# Altium PCB Mynd_UI.PcbDoc
Units mm, origin at the board's own origin, x right, y up, seen from the top; angles counter-clockwise.
Board outline 116 x 26 mm, 2 copper layers (Component Side, Solder Side), stack 1.58 mm thick; 82 components, 43 nets, 202 pads, 501 vias.
Unrouted connection lines stored in the file: 34.
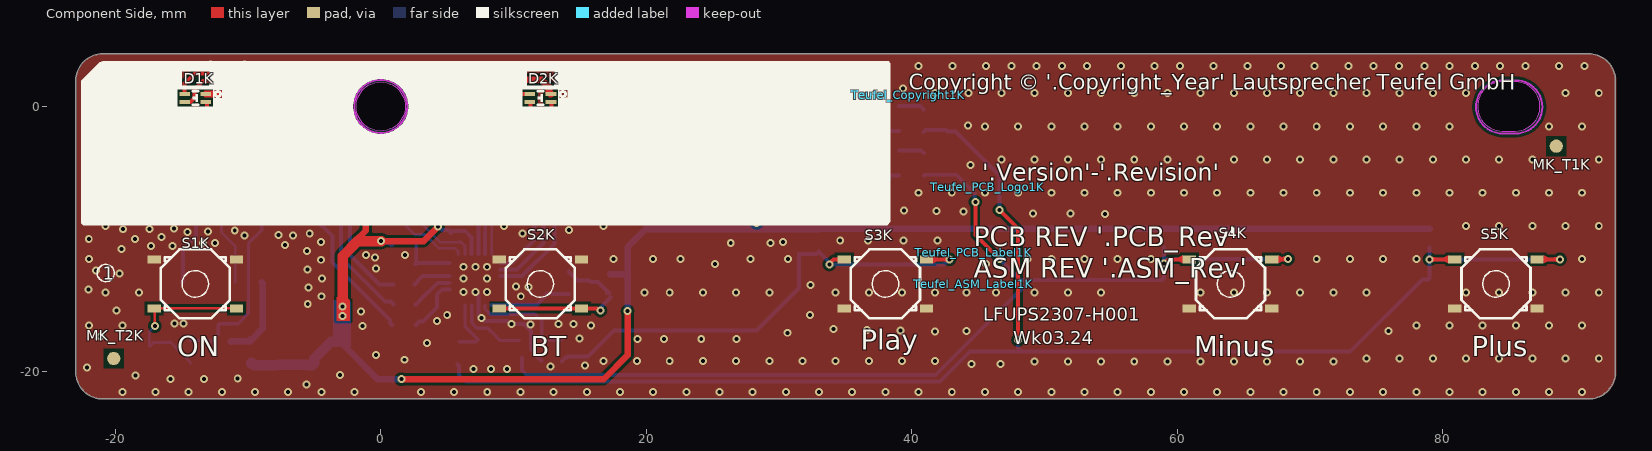
[diagram p0: Component Side view]
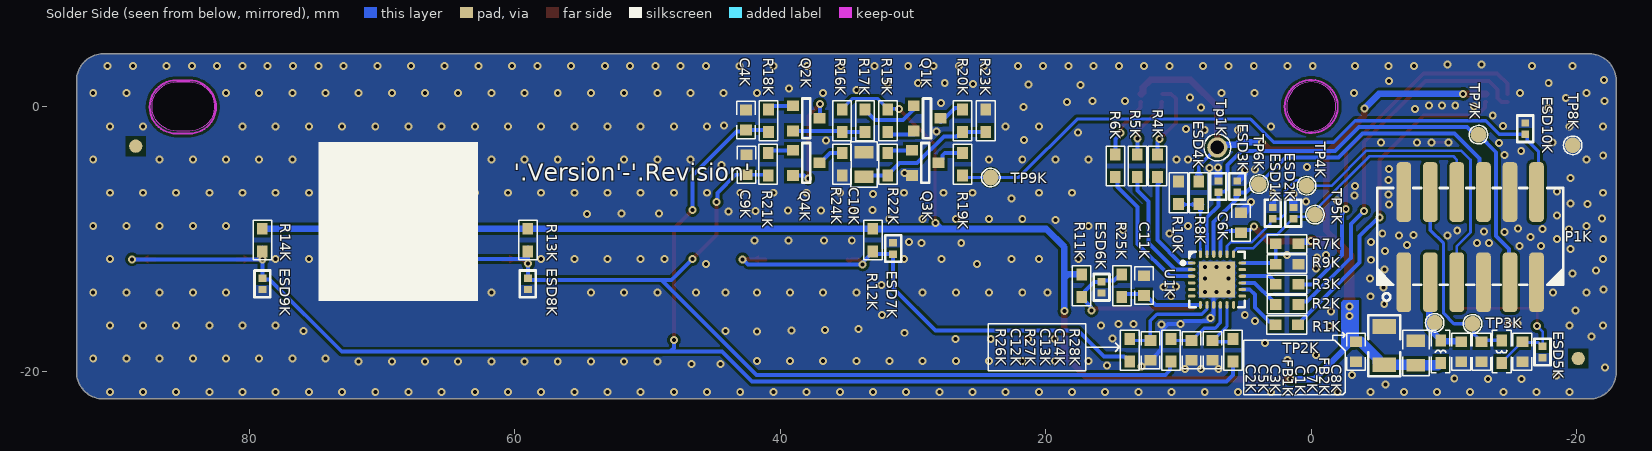
[diagram p1: Solder Side view, seen from below]
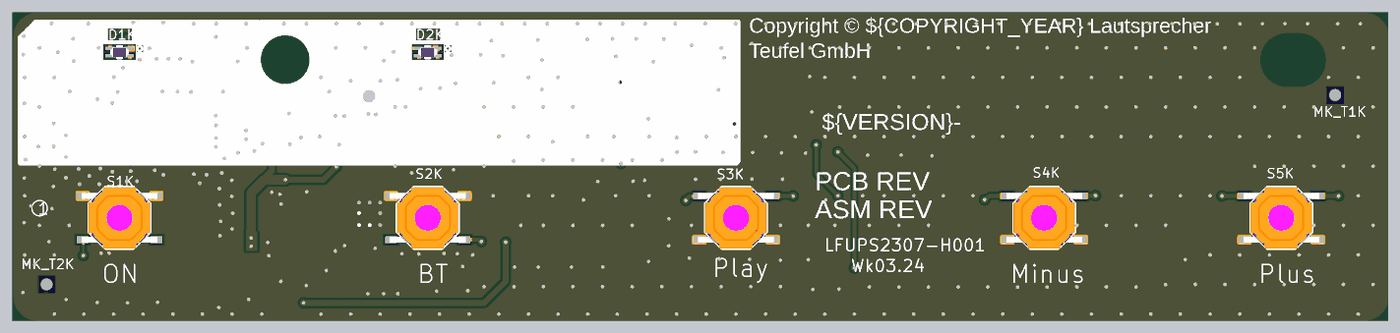
[diagram p2: 3D render of the assembled board from above, using the file's embedded part models]
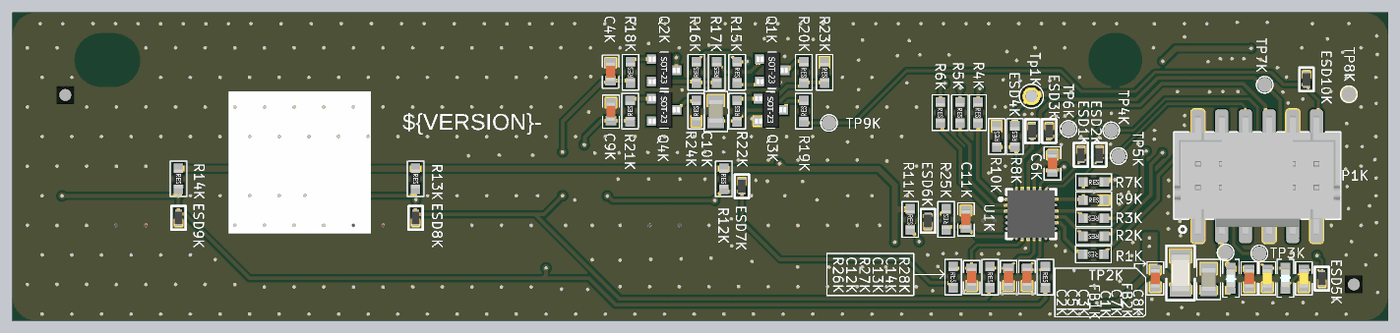
[diagram p3: 3D render of the assembled board from below, using the file's embedded part models]

## Layer stack, top to bottom
Top Solder: solder mask 0.0102, Solder Resist, Dk 3.5
Component Side: signal copper 0.035
Dielectric1: core 1.5097, FR-4, Dk 4.2
Solder Side: signal copper 0.035
Bottom Solder: solder mask 0.0102, Solder Resist, Dk 3.5

## Board outline
-20.973,-22.035 cw(c-20.973,-20.035) -22.973,-20.035 -22.973,1.965 cw(c-20.973,1.965) -20.973,3.965 91.027,3.965 cw(c91.027,1.965) 93.027,1.965 93.027,-20.035 cw(c91.027,-20.035) 91.027,-22.035
cut-out: 0,-1.85 cw(c0,0) -1.85,0 cw(c0,0) 0,1.85 cw(c0,0) 1.85,0 cw(c0,0)
cut-out: 84.5,-1.85 85.5,-1.85 ccw(c85.5,0) 85.5,1.85 84.5,1.85 ccw(c84.5,0)

## Design rules (kind name [scope] priority, off if disabled: settings)
AssemblyTestPointUsage [HasFootprint('PAD-NDK-06')] p1:
AssemblyTestpoint [HasFootprint('PAD-NDK-06')] p1: testpointundercomponent=TRUE minsize=1.016 maxsize=2.54 preferedsize=1.524 minholesize=0 maxholesize=1.016 preferedholesize=0.813 testpointgrid=0.025 usegrid=TRUE gridtolerance=0 allowsidetop=TRUE allowsidebottom=TRUE
Clearance [All] p1: gap=0.2 ignorepadtopadclearanceinfootprint=FALSE
Clearance Clearance_Poly [All] p2 off: gap=0.25 ignorepadtopadclearanceinfootprint=FALSE // Protel DXP Scope 1 Expression Was: InPoly
ComponentClearance ComponentClearance_Termofühler [HasFootprint('SOP65P1420X360_HS-44N') vs HasFootprint('TO-92_MCP9700')] p1: gap=0 collisioncheckmode=3 verticalgap=0.254 showdistances=FALSE
ComponentClearance ComponentClearance_Testpoint [InComponent('TP*')] p2: gap=0 collisioncheckmode=3 verticalgap=0.254 showdistances=FALSE
ComponentClearance ComponentClearance_MC16 [OnLayer('Component Side')] p3: gap=0 collisioncheckmode=3 verticalgap=0.254 showdistances=FALSE
ComponentClearance ComponentClearance_1 [All] p4: gap=0.2 collisioncheckmode=3 verticalgap=0.254 showdistances=FALSE
ComponentClearance ComponentClearance_Stiftleiste [HasFootprint('1X04RM254') vs HasFootprint('1X02RM254')] p5: gap=0 collisioncheckmode=3 verticalgap=0.254 showdistances=FALSE
FabricationTestpoint [All] p1: side=3 testpointundercomponent=TRUE minsize=0.5 maxsize=2.54 preferedsize=1.524 minholesize=0 maxholesize=1.016 preferedholesize=0.813 testpointgrid=0.025 allowsidetop=TRUE allowsidebottom=TRUE usegrid=TRUE gridtolerance=0
FanoutControl Fanout_LCC [All] p1 off: bgadir=Out bgaviamode=Centered fanoutstyle=Auto fanoutdirection=Alternating viagrid=0.025 // Protel DXP Scope 1 Expression Was: IsLCC   Fanout_LCC (Default Rule)
FanoutControl Fanout_BGA [All] p2 off: bgadir=Out bgaviamode=Centered fanoutstyle=Auto fanoutdirection=Alternating viagrid=0.025 // Protel DXP Scope 1 Expression Was: IsBGA   Fanout_BGA (Default Rule)
FanoutControl Fanout_SOIC [All] p3 off: bgadir=Out bgaviamode=Centered fanoutstyle=Auto fanoutdirection=Alternating viagrid=0.025 // Protel DXP Scope 1 Expression Was: IsSOIC   Fanout_SOIC (Default Rule)
FanoutControl Fanout_Default [All] p4: bgadir=Out bgaviamode=Centered fanoutstyle=Auto fanoutdirection=Alternating viagrid=0.025 // Fanout_Default (Default Rule)
FanoutControl Fanout_Small [All] p5 off: bgadir=Out bgaviamode=Centered fanoutstyle=Auto fanoutdirection=Alternating viagrid=0.025 // Protel DXP Scope 1 Expression Was: (CompPinCount < 5)   Fanout_Small (Default Rule)
HoleSize [All] p1: absolutevalues=TRUE maxlimit=8 minlimit=0.25 maxpercent=80.000 minpercent=20.000
PlaneClearance [All] p1: clearance=0.3
PlaneConnect [All] p1: planeconnectstyle=Relief reliefexpansion=0.508 reliefentries=4 reliefconductorwidth=0.5 reliefairgap=0.254
PolygonConnect [All] p1: connectstyle=Direct reliefconductorwidth=0.5 reliefentries=4 polygonreliefangle="45 Angle" airgapwidth=0.254
PolygonConnect PolygonConnect_direct_stepup [All] p2 off: connectstyle=Direct reliefconductorwidth=0.254 reliefentries=4 polygonreliefangle="90 Angle" airgapwidth=0.254 // Protel DXP Scope 1 Expression Was: (InNet('NETC548_1') AND IsNamedPolygon('BOT_STEPUP_L502OUT')) OR (InNet('NetL502_1') AND IsNamedPolygon('BOT_STEPUP_L502IN')) OR     (InNet('NetC504_2') AND IsNamedPolygon('BOT_STEPUP_IN')) OR   (InNet('24V') AND IsNamedPolygon('BOT_STEPUP_24VOUT')) OR (InNet('GND') AND (IsNamedPolygon('BOT_STEPUP_GND') OR                     IsNamedPolygon('BOT_GLOBAL_GND') OR                                    IsNamedPolygon('Bot_Global_Gnd')                   ) )
PolygonConnect PolygonConnect_VIA [All] p3 off: connectstyle=Direct reliefconductorwidth=0.2 reliefentries=4 polygonreliefangle="90 Angle" airgapwidth=0.254 // Protel DXP Scope 1 Expression Was: isVia  or HasFootprint('HOLE_3.2_6.0') or  HasFootprint('CAPPR750W80D1600H2500') or HasFootprint('JST_B6P-VH-FB-B') or HasFootprint('JST_B2P-VH-FB-B') or HasFootprint('TE_1734366-3')
PolygonConnect PolygonConnect_direct [All] p4 off: connectstyle=Direct reliefconductorwidth=0.254 reliefentries=4 polygonreliefangle="90 Angle" airgapwidth=0.254 // Protel DXP Scope 1 Expression Was: InNet('OUT_A') or InNet('OUT_B') or InNet('OUT_C') or InNet('OUT_D') or InNet('SW1_N') or InNet('SW1_P') or InNet('SW2_N') or InNet('SW2_P') or InNet('NetC500_1') or InNet('NetC500_2') or IsNamedPolygon('BOTTOM_-5V_GND') or IsNamedPolygon('BOTTOM_5V_GND') or IsNamedPolygon('BOTTOM_3V3_GND') or IsNamedPolygon('TOP_24V') or IsNamedPolygon('BOT_5VChg_SW_Node') or ((InNet('41V')) and IsSMTPin)
PolygonConnect PolygonConnect_GND_RC_1 [All] p5 off: connectstyle=Relief reliefconductorwidth=0.5 reliefentries=4 polygonreliefangle="90 Angle" airgapwidth=0.254 // Protel DXP Scope 1 Expression Was: IsNamedPolygon('GND_RC_1')
RoutingVias [All] p1: holewidth=0.3 width=0.7 viastyle="Through Hole" minholewidth=0.25 minwidth=0.5 maxholewidth=6 maxwidth=8
ShortCircuit ShortCircuit_Antenna [InNet('ANTENNA')] p2: allowed=TRUE
SilkToSolderMaskClearance [All] p1 off: minsilkscreentomaskgap=0.254 clearancetoexposedcopper=TRUE // Protel DXP Scope 1 Expression Was: IsPad
SolderMaskExpansion [All] p1: expansion=0.102 istentingtop=FALSE
SupplyNets "Schematic Supply Nets_2" [InNet('3V3_LED')] p1: voltage=0.000
SupplyNets "Schematic Supply Nets_1" [InNet('GND')] p2: voltage=0.000
SupplyNets "Schematic Supply Nets" [InNet('3V3_STB')] p3: voltage=0.000
Width [All] p1: maxlimit=20 minlimit=0.2 preferedwidth=0.2
17 further rules are at their usual default settings.

## Components (designator, comment, footprint, x,y, rotation, side; value= is the part's Value field where it differs from the comment)
C1K "100nF" C0603X100 -11.3,-18.475 r270 bottom
C2K "100nF" C0603X100 -3.375,-18.475 r270 bottom
C3K "10uF" C0805_145 -7.875,-18.575 r90 bottom
C4K "100nF" C0603X100 42.575,-1.025 r90 bottom
C5K "22uF" C1206 -5.5,-18.025 r270 bottom
C6K "100nF" C0603X100 5.302,-8.765 r270 bottom
C7K "33pF" C0603X80 -12.825,-18.475 r270 bottom
C8K "33pF" C0603X80 -15.9,-18.475 r270 bottom
C9K "100nF" C0603X100 42.55,-4.4 r90 bottom
C10K "10uF" C0805_145 33.7,-4.375 r90 bottom
C11K "NC" C0603X100 12.6,-13.5 r90 bottom
C12K "NC" C0603X100 12.12,-18.375 r270 bottom
C13K "NC" C0603X100 9.01,-18.375 r270 bottom
C14K "NC" C0603X100 7.45,-18.375 r270 bottom
D1K "JH-CRGBB06GTP014" LED_SMD_F_T_160X80X60 -13.973,0.635 r0 top locked
D2K "JH-CRGBB06GTP014" LED_SMD_F_T_160X80X60 12.027,0.635 r0 top locked
ESD1K "CESD0501CU" DFN2_100X60X50_65 2.902,-8.04 r270 bottom
ESD2K "CESD0501CU" DFN2_100X60X50_65 1.352,-8.04 r270 bottom
ESD3K "CESD0501CU" DFN2_100X60X50_65 5.577,-6.04 r270 bottom
ESD4K "CESD0501CU" DFN2_100X60X50_65 7.002,-6.04 r270 bottom
ESD5K "BDFN2C121V" DFN2_100X60X50_65 -17.425,-18.5 r90 bottom
ESD6K "CESD0501CU" DFN2_100X60X50_65 15.8,-13.625 r90 bottom
ESD7K "CESD0501CU" DFN2_100X60X50_65 31.5,-10.7 r270 bottom
ESD8K "CESD0501CU" DFN2_100X60X50_65 59.027,-13.365 r90 bottom
ESD9K "CESD0501CU" DFN2_100X60X50_65 79.027,-13.365 r90 bottom
ESD10K "CESD0501CU" DFN2_100X60X50_65 -16.125,-1.675 r270 bottom
FB1K "600R" L0603 -9.75,-18.475 r90 bottom
FB2K "600R" L0603 -14.35,-18.475 r270 bottom
MK_T1K "MARK" MARK 88.577,-2.99 r90 top
MK_T2K "MARK" MARK -20.123,-18.99 r90 top
P1K "WB200AL-12" WB200AL_2x6P -11.975,-9.85 r180 bottom
Q1K "CJ3401" SOT23-GSD 28.95,-0.9 r270 bottom
Q2K "CJ3401" SOT23-GSD 38.05,-0.9 r270 bottom
Q3K "2N7002K" SOT23-GSD 29.075,-4.25 r270 bottom
Q4K "CJ3401" SOT23-GSD 38.05,-4.25 r270 bottom
R1K "22R" R0603 1.85,-16.45 r0 bottom
R2K "22R" R0603 1.825,-14.925 r0 bottom
R3K "75R" R0603 1.825,-13.4 r0 bottom
R4K "75R" R0603 11.584,-4.48 r270 bottom
R5K "22R" R0603 13.108,-4.48 r270 bottom
R6K "22R" R0603 14.759,-4.48 r270 bottom
R7K "100R" R0603 1.825,-10.35 r180 bottom
R8K "100R" R0603 8.477,-6.49 r90 bottom
R9K "10k" R0603 1.825,-11.875 r180 bottom
R10K "10k" R0603 10.002,-6.49 r90 bottom
R11K "100k" R0603 17.3,-13.5 r270 bottom
R12K "100k" R0603 33.027,-10.065 r270 bottom
R13K "100k" R0603 59.027,-10.065 r270 bottom
R14K "100k" R0603 79.027,-10.065 r270 bottom
R15K "0R" R0603 31.9,-1.075 r270 bottom
R16K "10k" R0603 35.35,-1.075 r90 bottom
R17K "4.7k" R0603 33.625,-1.075 r90 bottom
R18K "150k" R0603 40.9,-1.075 r90 bottom
R19K "10R" R0603 26.275,-4.35 r90 bottom
R20K "680k" R0603 26.275,-1.075 r270 bottom
R21K "150k" R0603 40.925,-4.35 r90 bottom
R22K "10k" R0603 31.9,-4.35 r90 bottom
R23K "1M" R0603 24.525,-1.075 r270 bottom
R24K "0R" R0603 35.35,-4.35 r90 bottom
R25K "1k" R0603 14.275,-13.5 r90 bottom
R26K "1k" R0603 13.675,-18.375 r270 bottom
R27K "1k" R0603 10.565,-18.375 r270 bottom
R28K "1k" R0603 5.9,-18.375 r270 bottom
S1K "TC-1316A-H1.5-180GF" TACT_SW_SMD_52X52X15 -13.973,-13.365 r0 top locked
S2K "TC-1316A-H1.5-180GF" TACT_SW_SMD_52X52X15 12.027,-13.365 r0 top locked
S3K "TC-1316A-H1.5-180GF" TACT_SW_SMD_52X52X15 38.027,-13.365 r180 top locked
S4K "TC-1316A-H1.5-180GF" TACT_SW_SMD_52X52X15 64.027,-13.365 r180 top locked
S5K "TC-1316A-H1.5-180GF" TACT_SW_SMD_52X52X15 84.027,-13.365 r180 top locked
Teufel_ASM_Label1K "=Comment/Name" Teufel_ASM_Rev 44.675,-13.4 r0 top
Teufel_Copyright1K "=Comment/Name" TEUFEL_COPYRIGHT 39.8,0.85 r0 top
Teufel_PCB_Label1K "=Comment/Name" Teufel_PCB_Rev 44.7,-11.025 r0 top
Teufel_PCB_Logo1K "T.3.0.0040-3.2" Teufel_NoLogo 45.725,-6.1 r0 top
Tp1K "TP_T_60_40" TP_T_60_40 7.077,-3.09 r180 bottom
TP2K "TP12" TP120 -9.3,-16.3 r90 bottom
TP3K "TP12" TP120 -12.15,-16.375 r90 bottom
TP4K "TP12" TP120 0.35,-5.975 r90 bottom
TP5K "TP12" TP120 -0.275,-8.15 r90 bottom
TP6K "TP12" TP120 3.951,-5.855 r90 bottom
TP7K "TP12" TP120 -12.6,-2.125 r90 bottom
TP8K "TP12" TP120 -19.7,-2.925 r90 bottom
TP9K "TP12" TP120 24.15,-5.35 r90 bottom
U1K "AW9523BTQR" QFN24_400X400X100_50_P270X270 7.102,-13.04 r180 bottom

## Footprints (in the part's own frame and the unit in brackets; to place one, negate y for a bottom-side part, rotate by r counter-clockwise, add the part's x,y. Pads: shape width x height; smd on the part's side, far side on the other; paste and mask are expansions set on the pad)
C0603X80 [mm] "MLCC CAP 0603 T= 0.8 mm"
  rect 0.8x0.9 smd: 1(-0.745,0) 2(0.755,0)
  silkscreen extent -1.4,-0.7 1.4,0.7, body extent -0.8,-0.4 0.8,0.4, height 0.5
C0603X100 [mm] "MLCC CAP 0603 T= 1.0 mm"
  rect 0.8x0.9 smd: 1(-0.745,0) 2(0.755,0)
  silkscreen extent -1.4,-0.7 1.4,0.7, body extent -0.8,-0.4 0.8,0.4, height 0.8
C0805_145 [mm] "Chip Capacitor 0805, T= 1.45 mm"
  rect 0.95x1.4 smd: 1(-0.925,0) 2(0.925,0)
  silkscreen extent -1.7,-1 1.7,1, body extent -1,-0.62 1,0.63, height 1.45
C1206 [mm] "Chip Capacitor 1206"
  rect 1.1x1.8 smd: 1(-1.45,0) 2(1.45,0)
  silkscreen extent -2.3,-1.2 2.3,1.2, body extent -1.6,-0.81 1.6,0.81, height 0.57
DFN2_100X60X50_65 [mm] "DFN, 2-Leads, Body 1.00 x 0.60 mm, Pitch 0.65mm, IPC Medium Density"
  rect 0.55x0.6 smd: 1(-0.425,0) 2(0.425,0)
  silkscreen extent -1,-0.6 1,0.6, body extent -0.54,-0.34 0.54,0.34, height 0.5
L0603 [mm] "Chip Inductor 0603"
  rect 0.9x0.8 smd: 1(-0.85,0) 2(0.85,0)
  silkscreen extent -1.6,-0.7 1.6,0.7, body extent -0.8,-0.4 0.8,0.4, height 1
LED_SMD_F_T_160X80X60 [mm] "Surface Mount Chip LED  1.6 x 0.8 x 0.6 mm, Full-color, Top View."
  rect 0.8x0.3 smd: B(0.8,-0.3) C(0.8,0.3) G(-0.8,-0.3) R(-0.8,0.3)
  silkscreen extent -1.4,-0.7 1.9,0.7, body extent -0.8,-0.4 0.8,0.4, height 0.65
MARK [mm] "MARK DOT 1mm"
  rect 1.5x1.5 on Top Solder: 0(0,0)
  rect 1.5x1.5 on Bottom Solder: 1(0,0)
  round 1 smd far side mask+0: MK_B(0,0)
  round 1 smd mask+0: MKT(0,0)
  Component Side pour cut-out: -0.75,-0.75 0.75,-0.75 0.75,0.75 -0.75,0.75
  Solder Side pour cut-out: -0.75,-0.75 0.75,-0.75 0.75,0.75 -0.75,0.75
QFN24_400X400X100_50_P270X270 [mm] "QFN, 24-Leads, Body 4.00x4.00mm, Pitch 0.50mm, Thermal Pad 2.70x2.70mm, IPC Medium Density"
  rect 2.7x2.7 smd: 0(0,0)
  oval 0.58x0.24 smd: 1(-1.913,1.25) 2(-1.913,0.75) 3(-1.913,0.25) 4(-1.913,-0.25) 5(-1.913,-0.75) 6(-1.913,-1.25) 13(1.913,-1.25) 14(1.913,-0.75) 15(1.913,-0.25) 16(1.913,0.25) 17(1.913,0.75) 18(1.913,1.25)
  oval 0.24x0.58 smd: 7(-1.25,-1.913) 8(-0.75,-1.913) 9(-0.25,-1.913) 10(0.25,-1.913) 11(0.75,-1.913) 12(1.25,-1.913) 19(1.25,1.913) 20(0.75,1.913) 21(0.25,1.913) 22(-0.25,1.913) 23(-0.75,1.913) 24(-1.25,1.913)
  silkscreen extent -2.69,-2.1 2.1,2.1, body extent -2,-2 2,2, height 1
R0603 [mm] "Chip Resistor 0603"
  rect 0.9x0.8 smd: 1(-0.85,0) 2(0.85,0)
  silkscreen extent -1.5,-0.7 1.5,0.7, body extent -0.8,-0.4 0.8,0.4, height 0.3
SOT23-GSD [mm] "3 terminals; 1.9 mm pitch; 2.9 mm x 1.3 mm x 1 mm"
  rect 0.8x0.9 smd: D(0,1) G(-0.95,-1) S(0.95,-1)
  silkscreen extent -1.5,-0.3 1.5,0.3, body extent -1.5,-1.32 1.5,1.32, height 1.08
TACT_SW_SMD_52X52X15 [mm] "Tact Switch SMD 5.2 x 5.2 x 1.5mm SONGCHENG"
  rect 1x0.6 smd: 1(-3.1,1.85) 2(3.1,1.85) 3(-3.1,-1.85) 4(3.1,-1.85)
  silkscreen extent -2.6,-2.6 2.6,2.6, body extent -3.2,-2.6 3.2,2.6, height 1.5
Teufel_ASM_Rev [mm]
TEUFEL_COPYRIGHT [mm]
Teufel_NoLogo [mm] "Teufel NoLogo"
Teufel_PCB_Rev [mm]
TP120 [mm] "TEST PAD 1.2mm"
  round 1.2 smd: 1(0,0)
  silkscreen extent -0.7,-0.7 0.7,0.7
TP_T_60_40 [mil] "TEST PAD 60mil 40mil"
  round 60 / inner oval 60x50 / far side round 60 hole 40: 1(0,0)
  silkscreen extent -40,-40 40,40
WB200AL_2x6P [mm] "WB200AL 2x6 Pin, 2.0 Pitch AÐÍË«ÅÅÁ¢ÌùWTB"
  rrect50% 1.1x4.5 smd: 1(-5,-3.4) 2(-5,3.4) 3(-3,-3.4) 4(-3,3.4) 5(-1,-3.4) 6(-1,3.4) 7(1,-3.4) 8(1,3.4) 9(3,-3.4) 10(3,3.4) 11(5,-3.4) 12(5,3.4)
  silkscreen extent -7,-4.78 7,3.7, body extent -7,-4.96 7,5.04, height 9.04

## Part data
C1K C2K C4K C6K C9K C11K C12K C13K C14K: library part P-001-0038-28, "GPHF SMD M CAP 100nF 16V ±10%  0603 X7R", Manufacturer=Multi-Sourced, Temp_Coefficient=X7R, Tolerance=±10%, Voltage=16V, Part_Number=Generic, Part_Type="Capacitor ceramic SMT"
C3K: library part P-001-0158-27, "PSHF SMD M CAP 10uF 16V ±10% 0805 X7R", Manufacturer=Multi-Sourced, Temp_Coefficient=X7R, Tolerance="±10% 0805", Voltage=16V, Part_Number=Generic, Part_Type="Capacitor ceramic SMT"
C5K: library part P-001-0179-36, "PSHF SMD M CAP 22uF 16V ±10% 1206 X5R", Manufacturer=Multi-Sourced, Temp_Coefficient=X5R, Tolerance=±10%, Voltage=16V, Part_Number=Generic, Part_Type="Capacitor ceramic SMT"
C7K C8K: library part P-001-0394-18, "PSHF SMD M CAP 33pF 50V ±5% 0603 NPO", Manufacturer=Multi-Sourced, Temp_Coefficient=NPO, Tolerance=±5%, Voltage=50V, Part_Number=Generic, Part_Type="Capacitor ceramic SMT"
C10K: library part P-001-0150-56, "PSHF SMD M CAP 10uF 10V ±10% 0805 X5R", Manufacturer=Multi-Sourced, Temp_Coefficient=X5R, Tolerance=±10%, Voltage=10V, Part_Number=Generic, Part_Type="Capacitor ceramic SMT"
D1K D2K: library part K-001-0100-16, "SMD LED 4P 30mA RED&GN&BU", Color=Red/Green/Blue, Current=30mA, Manufacturer=MINGSHUO, Part_Number=JH-CRGBB06GTP014, Part_Type="Semiconductor LED RGB SMT"
ESD1K ESD2K ESD3K ESD4K ESD6K ESD7K ESD8K ESD9K ESD10K: library part R-001-1582-2, "SMD TVS 2P 5.5 DFN1006 CESD0501CU CTE", Manufacturer=CTE, Voltage=5.5V, Part_Number=CESD0501CU, Part_Type="Semiconductor Diode TVS SMT"
ESD5K: library part R-001-1347-2, "SMD TVS 2P DFN1006 BDFN2C121V", Manufacturer=|, Part_Number=BDFN2C121V, Part_Type="Semiconductor Diode TVS SMT"
FB1K FB2K: library part S-001-0006-21, "PS SMD FERRITE BEAD 600OHM 25% 0603", Current=0.5A, Frequency=100MHz, Manufacturer=[TSA], Tolerance=1:25%, Part_Number=FCM1608KF-601T05, Part_Type="Ferrite Bead SMT"
MK_T1K MK_T2K: library part N-001-00003-2, "MARK DOT", Design Item ID=MARK
P1K: library part C-001-1264-2, "SMD WTB CONNECTOR 12P P2.0mm TIN", Manufacturer=MINGHENG, Part_Number=WB200AL-12, Part_Type="Connector 2 x 6P", System=Connector
Q1K Q2K Q4K: library part R-001-1323-5, "GPHF SMD FET 3P -30V SOT-23 CJ3401 CJ", Current=-4.2V, Manufacturer=CJ, Voltage=-30, Part_Number=CJ3401, Part_Type="Semiconductor Transistor SMT"
Q3K: library part R-001-0217-30, "GP SMD FET 3P SOT23 2N7002K CTE", Current=300MA, Manufacturer=CTE, Voltage=60V, Part_Number=2N7002K, Part_Type="Semiconductor Transistor SMT"
R1K R2K R5K R6K: library part Q-001-0242-31, "PS SMD RES. 22OHM 1/10W 5% 0603", Manufacturer=Multi-Sourced, Temp_Coefficient=150ppm, Tolerance=5%, Part_Number=Generic, Part_Type="Resistor SMT", Wattage=1/10W
R3K R4K: library part Q-001-0024-21, "PS SMD RES. 75OHM 1/10W 1% 0603", Manufacturer=Multi-Sourced, Temp_Coefficient=150ppm, Tolerance=1%, Part_Number=Generic, Part_Type="Resistor SMT", Wattage=1/10W
R7K R8K: library part Q-001-0256-20, "PS SMD RES. 100OHM 1/10W 1% 0603", Manufacturer=Multi-Sourced, Temp_Coefficient=150ppm, Tolerance=1%, Part_Number=Generic, Part_Type="Resistor SMT", Wattage=1/10W
R9K R10K: library part Q-001-0036-48, "PS SMD RES. 10KOHM 1/10W 1% 0603", Manufacturer=Multi-Sourced, Temp_Coefficient=150ppm, Tolerance=1%, Part_Number=Generic, Part_Type="Resistor SMT", Wattage=1/10W
R11K R12K R13K R14K: library part Q-001-0032-53, "PS SMD RES. 100KOHM 1/10W 1% 0603", Manufacturer=Multi-Sourced, Temp_Coefficient=150ppm, Tolerance=1%, Part_Number=Generic, Part_Type="Resistor SMT", Wattage=1/10W
R15K R24K: library part Q-001-0048-204, "GPHF SMD RES. 0OHM 1/10W 5% 0603", Manufacturer=Multi-Sourced, Temp_Coefficient=150ppm, Tolerance=5%, Part_Number=Generic, Part_Type="Resistor SMT", Wattage=1/10W
R16K R22K: library part Q-001-0058-52, "GPHF SMD RES. 10KOHM 1/10W 5% 0603", Manufacturer=Multi-Sourced, Temp_Coefficient=150ppm, Tolerance=5%, Part_Number=Generic, Part_Type="Resistor SMT", Wattage=1/10W
R17K: library part Q-001-0077-41, "GPHF SMD RES. 4.7KOHM 1/10W 5% 0603", Manufacturer=Multi-Sourced, Temp_Coefficient=150ppm, Tolerance=5%, Part_Number=Generic, Part_Type="Resistor SMT", Wattage=1/10W
R18K R21K: library part Q-001-0222-26, "GPHF SMD RES. 150KOHM 1/10W 5% 0603", Manufacturer=Multi-Sourced, Temp_Coefficient=150ppm, Tolerance=5%, Part_Number=Generic, Part_Type="Resistor SMT", Wattage=1/10W
R19K: library part Q-001-0043-26, "GPHF SMD RES. 10OHM 1/10W 1% 0603", Manufacturer=Multi-Sourced, Temp_Coefficient=150ppm, Tolerance=1%, Part_Number=Generic, Part_Type="Resistor SMT", Wattage=1/10W
R20K: library part Q-001-0105-21, "GPHF SMD RES. 680KOHM 1/10W 5% 0603", Manufacturer=Multi-Sourced, Temp_Coefficient=150ppm, Tolerance=5%, Part_Number=Generic, Part_Type="Resistor SMT", Wattage=1/10W
R23K: library part Q-001-0062-26, "GPHF $ SMD RES. 1MOHM 1/10W 5% 0603", Manufacturer=Multi-Sourced, Temp_Coefficient=150ppm, Tolerance=5%, Part_Number=Generic, Part_Type="Resistor SMT", Wattage=1/10W